# Altium PCB BEE_BOARD_ROTATED.PcbDoc (part 2 of 3)
Units mm, origin at the board's own origin, x right, y up, seen from the top; angles counter-clockwise.
Board outline 51.96 x 59.71 mm, 8 copper layers (Top, GND_1, Signal_1, GND_2, PWR, Signal_2, GND_3, Bottom), stack 1.67 mm thick; 168 components, 97 nets, 589 pads, 254 vias.
Unrouted connection lines stored in the file: 125.
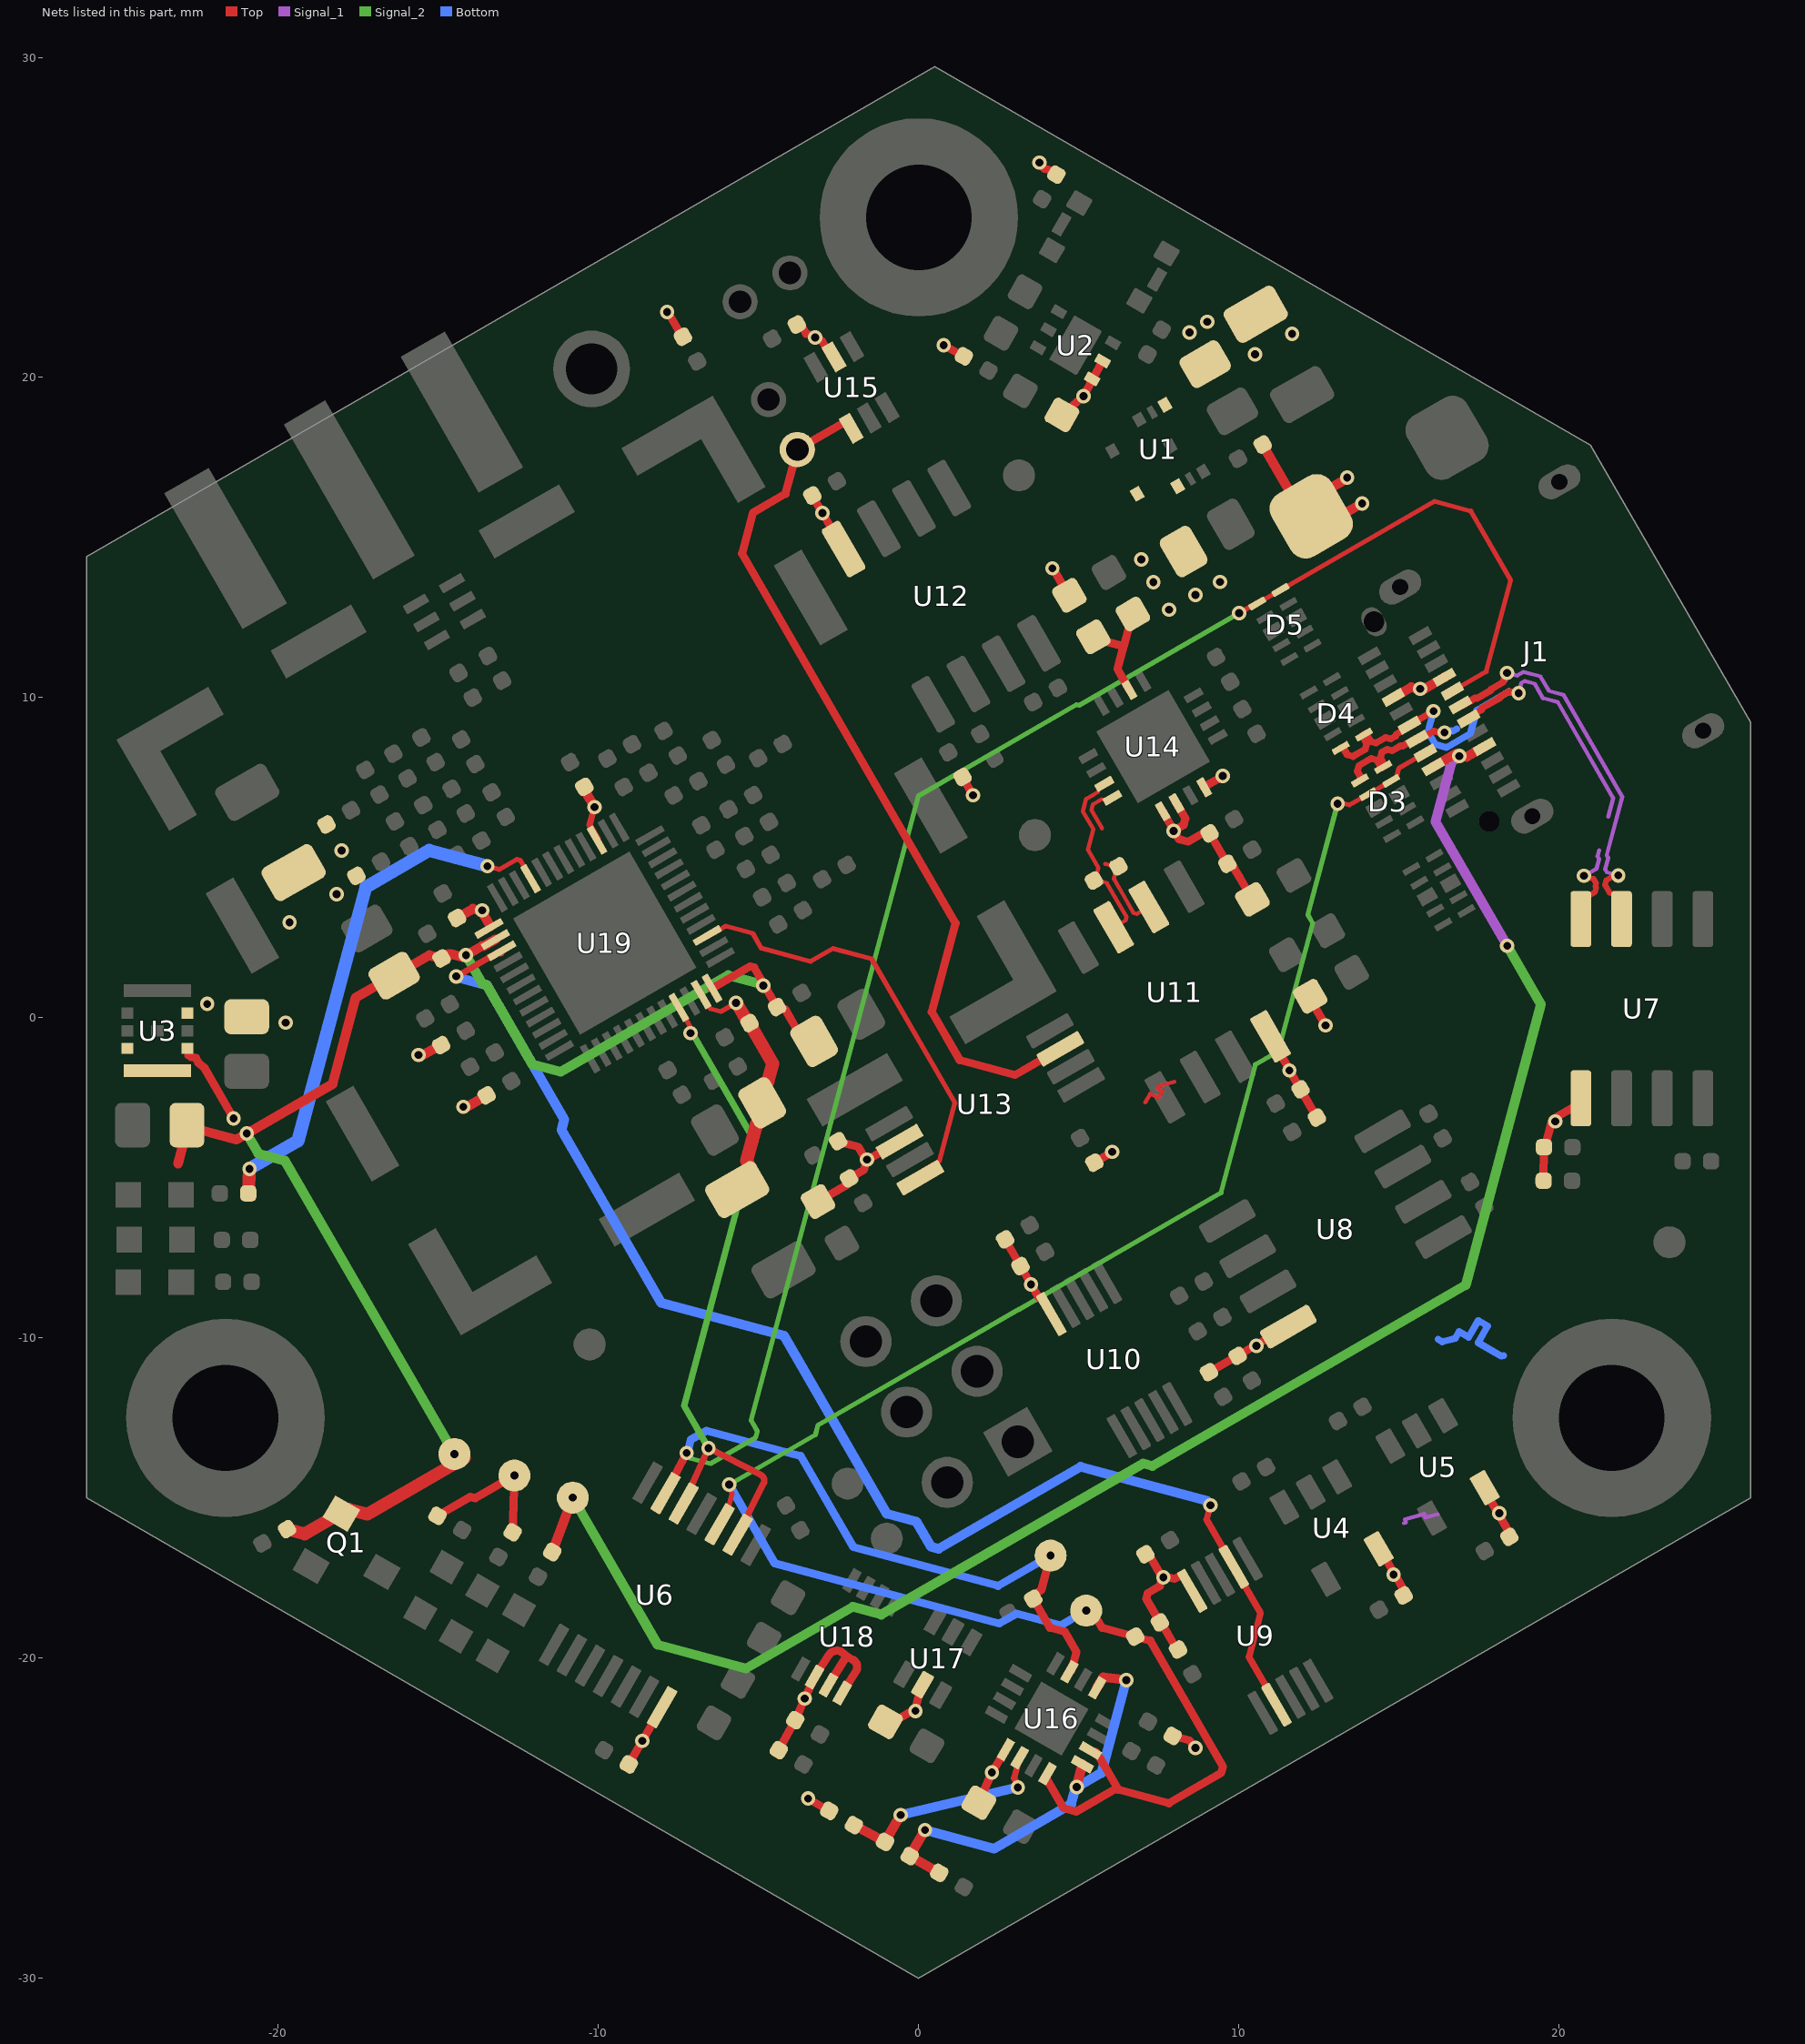
[diagram p8: the nets of this part, all layers, seen from the top]

## Part data (continued)
C5 C8: library part CAP_CER_GRM21BR61C106KE15K, "CAP - CER 10UF 10% 16V X5R - 0805", Manufacturer #1=Murata, Package=0805, Supplier Part Number 1=490-6473-1-ND, Temperature="-55°C ~ 85°C", Tolerance=10%, Voltage Rating=16V, Assembly Type=SMD, CreatedBy/Date="Caroline Paulin / 8 août 2018", Cryo=UNKNOWN, GRAMS Lib Spec=2.8, HelpURL=https://search.murata.co.jp/Ceramy/image/img/A01X/G101/ENG/GRM21BR61C106KE15-01.pdf, Magnetic Material=Unknown, Part Number #1=GRM21BR61C106KE15K, Polarized=NO, Supplier 1=Digi-Key, VerifiedBy="Nicolas V. (2019-01-22)"
C6 C9 C10 C12 C16 C22 C25 C26 C29 C31 C34 C35 C37 C38 C41 C42 C43 C44 C47 C48 C49 C55 C56 C57 C58 C61 C63 C64 C66: library part CAP_CER_CGA2B3X7R1E104K050BB, "CAP - CER 0.1µF 10% 25V X7R - 0402", Manufacturer #1="TDK Corporation", Package=0402, Supplier Part Number 1=445-6902-1-ND, Temperature="-55°C ~ 125°C", Tolerance=10%, Voltage Rating=25V, Assembly Type=SMD, CreatedBy/Date="Nicolas Roy 2018-11-07", Cryo=UNKNOWN, GRAMS Lib Spec=2.8, HelpURL=https://product.tdk.com/info/en/catalog/datasheets/mlcc_automotive_general_en.pdf, Magnetic Material=Unknown, Part Number #1=CGA2B3X7R1E104K050BB, Polarized=NO, Supplier 1=Digi-Key, VerifiedBy="Nicolas V. (2019-01-22)"
C11 C13 C17 C46 C51: library part CAP_CER_CL05B103KA5NNNC, "CAP - CER 10nF 10% 25V X7R - 0402", Manufacturer #1="Samsung Electro-Mechanics", Manufacturer #2="Murata Electronics North America", Package=0402, Part Number #2=GRM155R71E103KA01D, Supplier Part Number 1=1276-1057-1-ND, Temperature="-55°C ~ 125°C", Tolerance=10%, Voltage Rating=25V, Assembly Type=SMD, CreatedBy/Date="Romain Espagnet 2018-07-16", Cryo=UNKNOWN, GRAMS Lib Spec=2.8, HelpURL=http://www.samsungsem.com/kr/support/product-search/mlcc/__icsFiles/afieldfile/2018/07/13/CL05B103KA5NNNC.pdf, Magnetic Material=YES, Part Number #1=CL05B103KA5NNNC, Polarized=NO, Supplier 1=Digi-Key, VerifiedBy="Jonathan Bouchard 2018-07-30"
C14 C15 C21: library part CAP_CER_JMK105B7474KVHF, "CAP - CER 470nF 6.3V X7R - 0402", Manufacturer #1="Taiyo Yuden", Package=0402, Supplier Part Number 1=587-3765-1-ND, Temperature="-55°C ~ 125°C", Tolerance=10%, Voltage Rating=6.3V, Assembly Type=SMD, CreatedBy/Date="Nicolas (2019-06-21)", Cryo=UNKNOWN, GRAMS Lib Spec=2.8, HelpURL=https://ds.yuden.co.jp/TYCOMPAS/ut/detail?pn=JMK105B7474KVHF%20&u=M, Magnetic Material=UNKNOWN, Part Number #1=JMK105B7474KVHF, Polarized=NO, Supplier 1=Digi-Key, VerifiedBy="Nicolas V. (2019-06-21)"
C23 C28 C30 C50 C53: library part CAP_CER_CC0402KRX7R9BB102, "CAP - CER 1nF 10% 50V X7R - 0402", Manufacturer #1=Yageo, Package=0402, Supplier Part Number 1=311-1036-1-ND, Temperature="-55°C ~ 125°C", Tolerance=10%, Voltage Rating=50V, Assembly Type=SMD, CreatedBy/Date="Jonathan Bouchard 2019-04-06", Cryo=UNKNOWN, GRAMS Lib Spec=2.8, HelpURL=http://www.yageo.com/documents/recent/UPY-GPHC_X7R_6.3V-to-50V_18.pdf, Magnetic Material=UNKNOWN, Part Number #1=CC0402KRX7R9BB102, Polarized=NO, Supplier 1=Digi-Key, VerifiedBy="Nicolas V. (2019-04-30)"
C52 C54 C59 C60: library part CAP_CER_CC0402JRNPO9BN120, "CAP - CER 12pF 50V ±5% C0G, NP0 - 0402", Manufacturer #1=Yageo, Package=0402, Supplier Part Number 1=311-1016-1-ND, Temperature="-55°C ~ 125°C", Tolerance=±5%, Voltage Rating=50V, Assembly Type=SMD, CreatedBy/Date="Philippe Arsenault/ 2020-07-24", Cryo=UNKNOWN, GRAMS Lib Spec=2.8, HelpURL=https://www.yageo.com/upload/media/product/productsearch/datasheet/mlcc/UPY-GP_NP0_16V-to-50V_18.pdf, Magnetic Material=Unknown, Part Number #1=CC0402JRNPO9BN120, Polarized=NO, Supplier 1=Digi-Key, VerifiedBy="Louis-Daniel Gaulin / 2020-07-29"
C65: library part CAP_CER_CC0402JRNPO9BN101, "CAP - CER 100pF 50V ±5% C0G,CP0 - 0402", Manufacturer #1=Yageo, Package=0402, Supplier Part Number 1=311-1024-1-ND, Temperature="-55°C ~ 125°C", Tolerance=±5%, Voltage Rating=50V, Assembly Type=SMD, CreatedBy/Date="Philippe Arsenault/ 2020-07-24", Cryo=UNKNOWN, GRAMS Lib Spec=2.8, HelpURL=https://www.yageo.com/upload/media/product/productsearch/datasheet/mlcc/UPY-GPHC_X7R_6.3V-to-50V_18.pdf, Magnetic Material=Unknown, Part Number #1=CC0402JRNPO9BN101, Polarized=NO, Supplier 1=Digi-Key, VerifiedBy="Louis-Daniel Gaulin / 2020-07-29"
C67: library part CAP_CER_GRM1555C1H180GA01D, "CAP - CER 18pF 50V C0G, NPO - 0402", Manufacturer #1="Murata Electronics North America", Package=0402, Supplier Part Number 1=490-6204-1-ND, Temperature="-55°C ~ 125°C", Tolerance=2%, Voltage Rating=50V, Assembly Type=SMD, CreatedBy/Date="Tommy Rossignol / 2018-11-20", Cryo=UNKNOWN, GRAMS Lib Spec=2.8, HelpURL=https://psearch.en.murata.com/capacitor/product/GRM1555C1H180GA01%23.html, Magnetic Material=UNKNOWN, Note="Not for new Design", Part Number #1=GRM1555C1H180GA01D, Polarized=NO, Supplier 1=Digi-Key, VerifiedBy="Caroline Paulin - 13 fév 2019"
C68: library part CAP_CER_CC0402JRNPO9BN270, "CAP - CER 27pF 50V ±5% C0G, NP0 - 0402", Manufacturer #1=Yageo, Package=0402, Supplier Part Number 1=311-1019-1-ND, Temperature="-55°C ~ 125°C", Tolerance=±5%, Voltage Rating=50V, Assembly Type=SMD, CreatedBy/Date="Philippe Arsenault/ 2020-07-24", Cryo=UNKNOWN, GRAMS Lib Spec=2.8, HelpURL=https://www.yageo.com/upload/media/product/productsearch/datasheet/mlcc/UPY-GP_NP0_16V-to-50V_18.pdf, Magnetic Material=Unknown, Part Number #1=CC0402JRNPO9BN270, Polarized=NO, Supplier 1=Digi-Key, VerifiedBy="Louis-Daniel Gaulin / 2020-07-29"
C69: library part CAP_CER_C0402C129C5GACTU, "CAP - CER 1.2pF 50V ±0.25pF C0G, NP0 - 0402", Manufacturer #1=KEMET, Package=0402, Supplier Part Number 1=399-1001-1-ND, Temperature="-55°C ~ 125°C", Tolerance=±0.25pF, Voltage Rating=50V, Assembly Type=SMD, CreatedBy/Date="Philippe Arsenault/ 2020-07-24", Cryo=UNKNOWN, GRAMS Lib Spec=2.8, HelpURL=https://content.kemet.com/datasheets/KEM_C1003_C0G_SMD.pdf, Magnetic Material=Unknown, Part Number #1=C0402C129C5GACTU, Polarized=NO, Supplier 1=Digi-Key, VerifiedBy="Louis-Daniel Gaulin / 2020-07-29"
C70: library part CAP_CER_CC0402KRX7R9BB821, "CAP - CER 820pF 50V ±10% X7R - 0402", Manufacturer #1=Yageo, Package=0402, Supplier Part Number 1=311-1727-1-ND, Temperature="-55°C ~ 125°C", Tolerance=±10%, Voltage Rating=50V, Assembly Type=SMD, CreatedBy/Date="Philippe Arsenault/ 2020-07-24", Cryo=UNKNOWN, GRAMS Lib Spec=2.8, HelpURL=https://www.yageo.com/upload/media/product/productsearch/datasheet/mlcc/UPY-GPHC_X7R_6.3V-to-50V_18.pdf, Magnetic Material=Unknown, Part Number #1=CC0402KRX7R9BB821, Polarized=NO, Supplier 1=Digi-Key, VerifiedBy="Louis-Daniel Gaulin / 2020-07-29"
CLK SYNC: library part TPO_TH_ROUND_0.7mm_DOUBLE, "TPO - TH round 0.7mm double - 2-SMD", Current Rating=-, Package=2-SMD, Assembly Type=TH, CreatedBy/Date="Philippe Arsenault / 20-04-2021", GRAMS Lib Spec=2.8, HelpURL=-, Magnetic Material=-, Manufacturer #1=-, Manufacturer #2=-, Note=-, Part Number #1=-, Part Number #2=-, Polarized=-, Power Max=-, Supplier 1=-, Supplier Part Number 1=-, Temperature=-, Tolerance=-, VerifiedBy="Louis-Daniel Gaulin / 29-04-2021", Voltage Rating=-
D1: library part TVS_PWR_SMBJ5.0A, "TVS - BIDIR 5V 9.2V 600W - DO214AA", Current Rating="100A (peak)", Manufacturer #1="Littelfuse Inc.", Package=DO214AA, Power Max="600W (Pppm)", Supplier Part Number 1=SMBJ5.0ALFCT-ND, Temperature="-65°C ~ 150°C (TJ)", Voltage Rating="5V Standoff", Assembly Type=SMD, CreatedBy/Date="Louis-Daniel Gaulin / 13-04-2021", Cryo=UNKNOWN, GRAMS Lib Spec=2.8c, HelpURL=https://www.littelfuse.com/~/media/electronics/datasheets/tvs_diodes/littelfuse_tvs_diode_smbj_datasheet.pdf.pdf, Magnetic Material=UNKNOWN, Part Number #1=SMBJ5.0A, Polarized=NO, Supplier 1=Digi-Key, VerifiedBy="Philippe Arsenault/2021-04-14"
D2 D3 D4 D5: library part TVS_DATA_DT1140-04LP-7, "TVS - DIODE 5.5V 10V - 10-UFDFN", Current Rating="6A (8/20µs)", Manufacturer #1="Diodes Incorporated", Manufacturer #2=-, Package=10-UFDFN, Power Max="60W (8/20µs)", Supplier Part Number 1=DT1140-04LP-7DICT-ND, Temperature=-55°C~85°C, Voltage Rating="6V (Breakdown)", Assembly Type=SMD, CreatedBy/Date="Joël Lemay 2019-11-20", Cryo=UNKNOWN, GRAMS Lib Spec=2.8, HelpURL=https://www.diodes.com/assets/Datasheets/DT1140-04LP.pdf, Magnetic Material=Unknown, Note="Fooprint created from tpd4e05u06 (TI) for manufacturability (soldermask)", Part Number #1=DT1140-04LP-7, Part Number #2=-, Polarized=Yes, Supplier 1=Digi-Key, Tolerance=-, VerifiedBy="C.Paulin - 21/11/2019"
D6 D7 D8 D9 D10 D11: library part LED_SML-D12P8WT86, "LED - GREEN DIFFUSED 0603 SMD - 0603", Current Rating=1-20mA, Manufacturer #1="Rohm Semiconductor", Package=0603, Supplier Part Number 1=511-1579-2-ND, Temperature="-40 ~ 85 °C", Voltage Rating="2.2V (Forward), 5V (max Reverse)", Assembly Type=SMD, CreatedBy/Date="Keven Deslandes - 2018/11/21", Cryo=UNKNOWN, GRAMS Lib Spec=2.8, HelpURL=https://d1d2qsbl8m0m72.cloudfront.net/en/products/databook/datasheet/opto/led/chip_mono/sml-d12x8_d13x8-e.pdf, Magnetic Material=Unknown, Note="Operate at 2mA", Part Number #1=SML-D12P8WT86, Polarized=Yes, Supplier 1=Digi-Key, VerifiedBy="Caroline Paulin - 13 février 2019"
FID1 FID2 FID3: library part FID_CIRCLE_1MM, "FID - FIDUCIAL 1MM CIRCLE DOUBLE-SIDED - 1MM", Package="1MM CIRCLE", Assembly Type=NONE, CreatedBy/Date="Jonathan Bouchard 2018-07-23", Cryo=UNKNOWN, GRAMS Lib Spec=2.8, HelpURL=https://www.pcb-3d.com/wordpress/wp-content/uploads/ipc-sm-782a_amendment_1_and_2.pdf, Magnetic Material=NO, VerifiedBy="Caroline Paulin - 25 juillet 2018"
GND: library part TPO_5011, "TPO - TEST POINT - TH", Manufacturer #1="Keystone Electronics", Supplier Part Number 1=36-5011-ND, Assembly Type=TH, CreatedBy/Date="Louis-Daniel Gauli / 02-11-2020", Cryo=UNKNOWN, GRAMS Lib Spec=2.8, HelpURL=https://www.keyelco.com/userAssets/file/M65p56.pdf, Magnetic Material=UNKNOWN, Part Number #1=5011, Polarized=No, Supplier 1=Digi-Key, VerifiedBy="Philippe Arsenault/2020-11-06"
J1: library part CON_USB_3.2_TypeC_12401598E4#2A, "CON_USB - USB 3.2 Gen 2 (USB 3.1 Gen 2, Superspeed + (USB 3.1)) 24 pos Receptacle - R/A", Current Rating="5A total", Manufacturer #1="Amphenol ICC (Commercial Products)", Package="SMD + TH R/A", Power Max=-, Supplier Part Number 1=12401598E4#2ACT-ND, Temperature="max 105°C", Assembly Type="SMD + TH", CreatedBy/Date="Louis-Daniel Gaulin / 07-04-2021", GRAMS Lib Spec=2.8, HelpURL=https://www.amphenol-icc.com/media/wysiwyg/files/drawing/12401598xxx2a.pdf, Magnetic Material=Unknown, Part Number #1=12401598E4#2A, Polarized=Yes, Supplier 1=Digi-Key, VerifiedBy="Philippe Arsenault/2021-04-08", Voltage Rating=-
J2: library part CON_HDR_10129381-906002BLF, "CON - Header 6 positions 3x2  0.100\" - 6-TH", Current Rating=3A, Manufacturer #1="Amphenol ICC (FCI)", Package="6- TH", Supplier Part Number 1=10129381-906002BLF-ND, Temperature="-55°C ~ 105°C", Assembly Type=TH, CreatedBy/Date="Philippe Arsenault/2021-04-14", Cryo=UNKNOWN, GRAMS Lib Spec=2.8c, HelpURL=https://cdn.amphenol-icc.com/media/wysiwyg/files/drawing/10129381.pdf, Magnetic Material=Unknown, Part Number #1=10129381-906002BLF, Polarized=Yes, Supplier 1=Digi-Key
J3: library part CON_SMA_CONSMA020.062-G, "CON_SMA FML EDGE MNT 0.062\" PCB - 5-SMD", Current Rating=-, Manufacturer #1="Linx Technologies Inc.", Package="5-SMD - EDGE", Part Number #2=TBD, Supplier Part Number 1=343-CONSMA020.062-G-ND, Temperature="-65°C ~ 165°C", Voltage Rating=500V, Assembly Type=SMD, CreatedBy/Date="Philippe Arsenault/2021-03-26", Cryo=UNKNOWN, GRAMS Lib Spec=2.8, HelpURL=https://linxtechnologies.com/wp/wp-content/uploads/consma020.062-g-ds.pdf, Magnetic Material=Unknown, Part Number #1=CONSMA020.062-G, Polarized=Yes, Power Max=-, Supplier 1=Digi-Key, Tolerance=-
L1 L2: library part FER_BLM15AG601SN1D, "FER - FERRITE BEAD 600 OHM@100MHz - 0402", Current Rating=300mA, Manufacturer #1=Murata, Package=0402, Supplier Part Number 1=490-1006-1-ND, Temperature="-55°C ~ 125°C", Assembly Type=SMD, CreatedBy/Date="Philippe Arsenault/2020-07-24", Cryo=UNKNOWN, GRAMS Lib Spec=2.8, HelpURL=https://www.murata.com/en-us/products/productdata/8796740059166/ENFA0018.pdf, Magnetic Material=YES, Part Number #1=BLM15AG601SN1D, Polarized=NO, Supplier 1=Digi-Key
MTH1 MTH2 MTH3: library part MTH_M3, "MTH - MOUNTING HOLE M3 PLATED - M3", Assembly Type=NONE, CreatedBy/Date="Jonathan Bouchard 2018-07-23", Cryo=UNKNOWN, GRAMS Lib Spec=2.8, HelpURL=https://littlemachineshop.com/images/gallery/PDF/TapDrillSizes.pdf, Magnetic Material=NO, Package=M3, VerifiedBy="Arnaud Samson 23-07-18"
Q1: library part TRX_NMOS_BSS138LT1G, "TRX - NMOS - 50V 200MA - SOT−23-3", Current Rating=200mA, Manufacturer #1="ON Semiconductor", Package=SOT-23-3, Power Max=225mW, Supplier Part Number 1=BSS138LT1GOSCT-ND, Temperature="-55°C ~ 150°C", Voltage Rating=50V, Assembly Type=SMD, CreatedBy/Date="Joel Lemay 2018-06-15", Cryo=UNKNOWN, GRAMS Lib Spec=2.8, HelpURL=http://www.onsemi.com/pub/Collateral/BSS138LT1-D.PDF, Magnetic Material=Unknown, Part Number #1=BSS138LT1G, Polarized=Yes, Supplier 1=Digi-Key, VerifiedBy="Caroline Paulin - 6 sept 2018"
R1: library part RES_ERJ-2RKF4020X, "RES - 402R 1% 1/10W - 0402", Manufacturer #1="Panasonic Electronic Components", Package=0402, Power Max=1/10W, Supplier Part Number 1=P402LCT-ND, Temperature="-55°C ~ 155°C", Tolerance=1%, Voltage Rating=50V, Assembly Type=SMD, CreatedBy/Date="Keven Deslandes 2018-09-20", Cryo=UNKNOWN, GRAMS Lib Spec=2.8, HelpURL=https://industrial.panasonic.com/ww/products/resistors/chip-resistors/general-purpose-chip-resistors/precision-thick-film-chip-resistors/ERJ2RKF4020X, Magnetic Material=Unknown, Part Number #1=ERJ-2RKF4020X, Polarized=No, Supplier 1=Digi-Key, VerifiedBy="Caroline Paulin - 18/12/2018"
R2 R4 R32 R33 R34: library part RES_ERJ-2RKF4750X, "RES - 475R 1% 1/10W- 0402", Manufacturer #1="Panasonic Electronic Components", Package=0402, Power Max=1/10W, Supplier Part Number 1=P475LCT-ND, Temperature="-55°C ~ 155°C", Tolerance=1%, Voltage Rating=50V, Assembly Type=SMD, CreatedBy/Date="Keven Deslandes 2018-10-17", Cryo=UNKNOWN, GRAMS Lib Spec=2.8, HelpURL=https://industrial.panasonic.com/cdbs/www-data/pdf/RDA0000/AOA0000C304.pdf, Magnetic Material=Unknown, Part Number #1=ERJ-2RKF4750X, Polarized=No, Supplier 1=Digi-Key, VerifiedBy="Carolilne Paulin - 18/12/2018"
R3 R9 R12 R23 R24 R38 R39 R41: library part RES_RC0402FR-0710KL, "RES - 10K OHMS 1% 1/16W - 0402", Manufacturer #1=Yageo, Package=0402, Power Max=1/16W, Supplier Part Number 1=311-10.0KLRCT-ND, Temperature="-55°C ~ 155°C", Tolerance=1%, Voltage Rating=50V, Assembly Type=SMD, CreatedBy/Date="Nicolas V. (2018-11-20)", Cryo=UNKNOWN, GRAMS Lib Spec=2.8, HelpURL=http://www.yageo.com/documents/recent/PYu-RC_Group_51_RoHS_L_9.pdf, Magnetic Material=UNKNOWN, Part Number #1=RC0402FR-0710KL, Polarized=NO, Supplier 1=Digi-Key, VerifiedBy="Nicolas V. (2018-11-20)"
R5 R6: library part RES_RC0402FR-0784R5L, "RES - 84R5 1% 1/16W - 0402", Manufacturer #1=Yageo, Package=0402, Power Max=1/16W, Supplier Part Number 1=YAG3246CT-ND, Temperature="-55°C ~ 155°C", Tolerance=1%, Voltage Rating=50V, Assembly Type=SMD, CreatedBy/Date="Philippe Arsenault/ 2021-03-31", GRAMS Lib Spec=2.8c, HelpURL=https://www.yageo.com/upload/media/product/productsearch/datasheet/rchip/PYu-RC_Group_51_RoHS_L_11.pdf, Magnetic Material=Unknown, Part Number #1=RC0402FR-0784R5L, Polarized=No, Supplier 1=Digi-Key
R7 R19 R20: library part RES_RC0402FR-071KL, "RES - 1K OHM 1% 1/16W - 0402", Manufacturer #1=Yageo, Package=0402, Power Max=1/16W, Supplier Part Number 1=311-1.00KLRCT-ND, Temperature="-55°C ~ 155°C", Tolerance=1%, Voltage Rating=50V, Assembly Type=SMD, CreatedBy/Date="Jonathan Bouchard 2018-07-05", Cryo=UNKNOWN, GRAMS Lib Spec=2.8, HelpURL=http://www.yageo.com/documents/recent/PYu-RC_Group_51_RoHS_L_9.pdf, Magnetic Material=YES, Part Number #1=RC0402FR-071KL, Polarized=NO, Supplier 1=Digi-Key, VerifiedBy="Arnaud Samson 16-07-18"
R8 R25 R26 R27 R28 R29 R31 R40 R42 R43: library part RES_RC0402FR-07100KL, "RES - 100K 1% 1/16W - 0402", Manufacturer #1=Yageo, Package=0402, Power Max=1/16W, Supplier Part Number 1=311-100KLRCT-ND, Temperature="-55°C ~ 155°C", Tolerance=1%, Voltage Rating=50V, Assembly Type=SMD, CreatedBy/Date="Keven Deslandes 2018-10-19", Cryo=UNKNOWN, GRAMS Lib Spec=2.8, HelpURL=http://www.yageo.com/documents/recent/PYu-RC_Group_51_RoHS_L_9.pdf, Magnetic Material=Unknown, Part Number #1=RC0402FR-07100KL, Polarized=No, Supplier 1=Digi-Key, VerifiedBy="Caroline Paulin - 18/12/2018"
R10 R11: library part RES_RC0402FR-0733RL, "RES - 33 OHM 1% 1/16W - 0402", Manufacturer #1=Yageo, Package=0402, Power Max=1/16W, Supplier Part Number 1=311-33.0LRCT-ND, Temperature="-55°C ~ 155°C", Tolerance=1%, Voltage Rating=50V, Assembly Type=SMD, CreatedBy/Date="Louis-Daniel Gaulin/ 14/01/2020", Cryo=UNKNOWN, GRAMS Lib Spec=2.8c, HelpURL=https://www.yageo.com/upload/media/product/productsearch/datasheet/rchip/PYu-RC_Group_51_RoHS_L_10.pdf, Magnetic Material=Unknown, Part Number #1=RC0402FR-0733RL, Polarized=NO, Supplier 1=Digi-Key, VerifiedBy="C.Paulin - 21/01/2020"
R13 R14 R15 R16: library part RES_RC0603JR-070RL, "RES - 0 ohm jumper 1/10W - 0603", Manufacturer #1=Yageo, Package=0603, Power Max=1/10W, Supplier Part Number 1=311-0.0GRCT-ND, Temperature="-55°C ~ 155°C", Voltage Rating=-, Assembly Type=SMD, CreatedBy/Date="L-P Gauthier 2018-10-30", Cryo=UNKNOWN, GRAMS Lib Spec=2.8, HelpURL=http://www.yageo.com/documents/recent/PYu-RC_Group_51_RoHS_L_9.pdf, Magnetic Material=Unknown, Part Number #1=RC0603JR-070RL, Polarized=No, Supplier 1=Digi-Key, VerifiedBy="Caroline Paulin  - 5/11/2018"
  R13 R16: Assembly Note=DNI
R17 R18: library part RES_RC0402FR-07100RP, "RES - 100R OHM 1% 1/16W - 0402", Manufacturer #1=Yageo, Package=0402, Power Max=1/16W, Supplier Part Number 1=YAG1248CT-ND, Temperature="-55°C ~ 155°C", Tolerance=1%, Voltage Rating=50V, Assembly Type=SMD, CreatedBy/Date="Jonathan Bouchard 2018-07-05", Cryo=UNKNOWN, GRAMS Lib Spec=2.8, HelpURL=http://www.yageo.com/documents/recent/PYu-RC_Group_51_RoHS_L_9.pdf, Magnetic Material=YES, Part Number #1=RC0402FR-07100RP, Polarized=NO, Supplier 1=Digi-Key, VerifiedBy="Arnaud Samson 16-07-18"
R21 R22: library part RES_RMCF0402FT562R, "RES - 562R ±1% 0.063W, 1/16W Chip Resistor 0402", Manufacturer #1="Stackpole Electronics Inc.", Package=0402, Power Max=1/16W, Supplier Part Number 1=RMCF0402FT562RCT-ND, Temperature="-55°C ~ 155°C", Tolerance=1%, Voltage Rating=50V, Assembly Type=SMD, CreatedBy/Date="Philippe Arsenault/2021-04-02", GRAMS Lib Spec=2.8c, HelpURL=https://www.seielect.com/catalog/sei-rmcf_rmcp.pdf, Magnetic Material=Unknown, Part Number #1=RMCF0402FT562R, Polarized=No, Supplier 1=Digi-Key
R30: library part RES_RMCF0402FT200K, "RES -  200k ±1% 0.063W, 1/16W Chip Resistor 0402 (1005 Metric) Automotive AEC-Q200 Thick Film", Manufacturer #1="Stackpole Electronics Inc.", Package=0402, Power Max=1/16W, Supplier Part Number 1=RMCF0402FT200KCT-ND, Temperature="-55°C ~ 155°C", Tolerance=1%, Voltage Rating=50V, Assembly Type=SMD, CreatedBy/Date="Philippe Arsenault/2021-04-14", GRAMS Lib Spec=2.8, HelpURL=https://www.seielect.com/catalog/sei-rmcf_rmcp.pdf, Magnetic Material=Unknown, Part Number #1=RMCF0402FT200K, Polarized=No, Supplier 1=Digi-Key, VerifiedBy="Louis-Daniel Gaulin / 14-04-2021"
R35: library part RES_RC0402FR-0711KL, "RES - 11K 1% 1/16W - 0402", Manufacturer #1=Yageo, Package=0402, Power Max=1/16W, Supplier Part Number 1=311-11.0KLRCT-ND, Temperature="-55°C ~ 155°C", Tolerance=1%, Voltage Rating=50V, Assembly Type=SMD, CreatedBy/Date="Keven Deslandes 2018-10-15", Cryo=UNKNOWN, GRAMS Lib Spec=2.8, HelpURL=http://www.yageo.com/documents/recent/PYu-RC_Group_51_RoHS_L_9.pdf, Magnetic Material=Unknown, Part Number #1=RC0402FR-0711KL, Polarized=No, Supplier 1=Digi-Key, VerifiedBy="Carolilne Paulin - 18/12/2018"